# Altium PCB Enigma Rev A.PcbDoc (part 1 of 7) (continued)
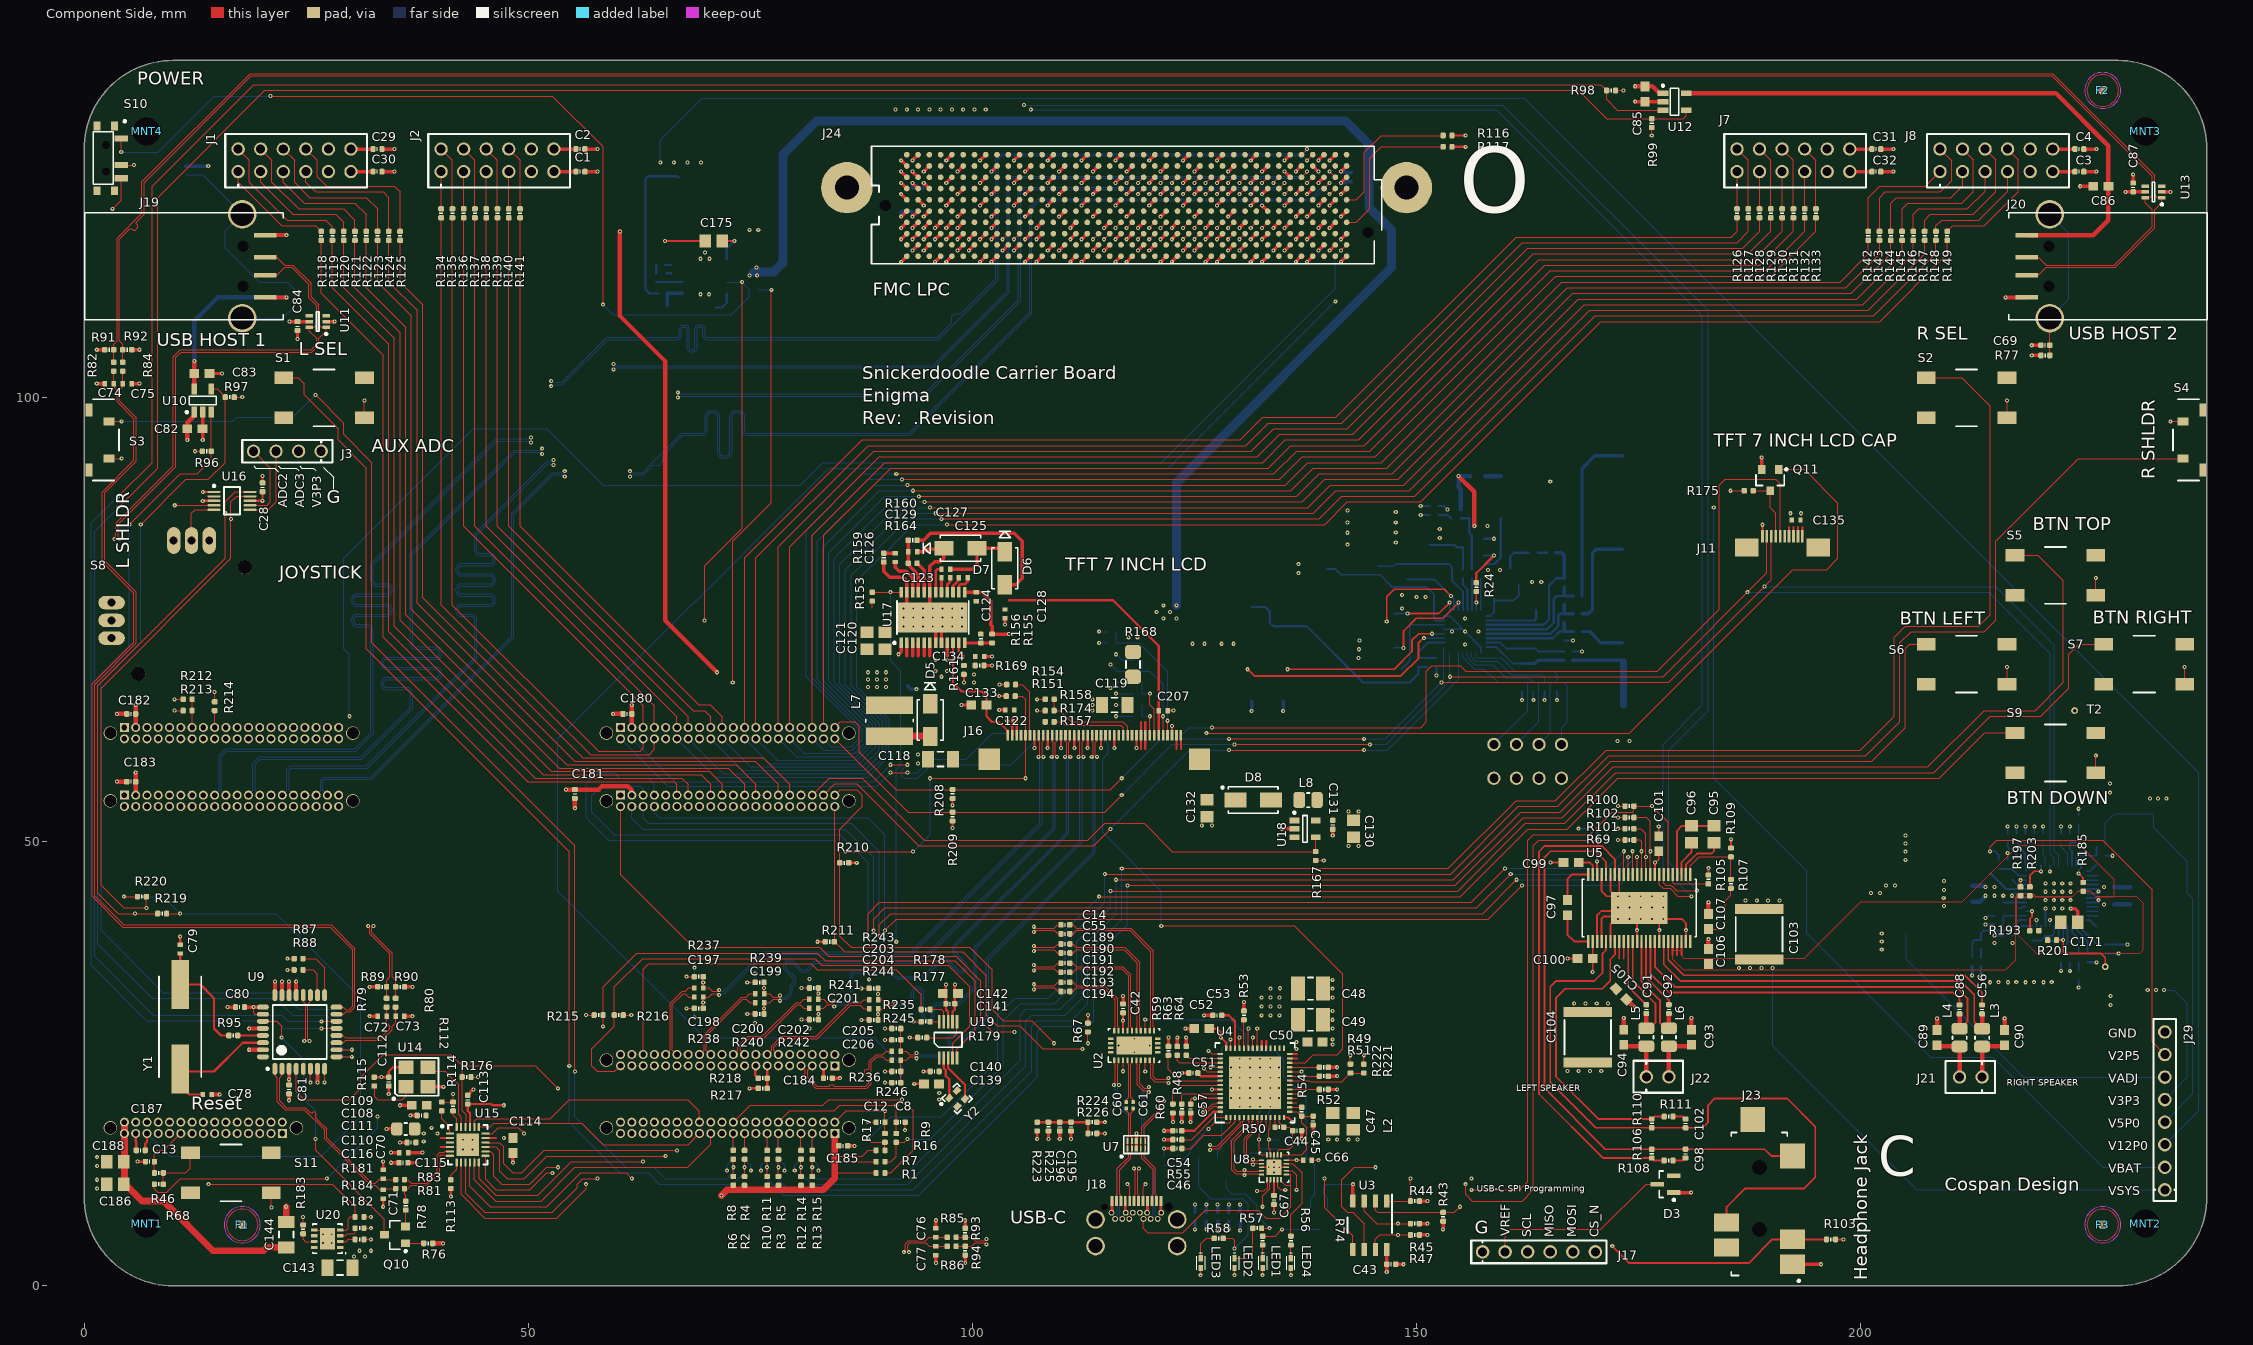
[diagram p0: Component Side view]
## Classes and differential pairs
differential pair LCD_TX3: +LCD_TX3_P -LCD_TX3_N
differential pair LCD_TX2: +LCD_TX2_P -LCD_TX2_N
differential pair LCD_TX1: +LCD_TX1_P -LCD_TX1_N
differential pair LCD_TX0: +LCD_TX0_P -LCD_TX0_N
differential pair LCD_CLK: +LCD_CLK_P -LCD_CLK_N
differential pair C_USB_B: +C_USB_B_P -C_USB_B_N
differential pair C_USB_T: +C_USB_T_P -C_USB_T_N
differential pair CLK0_M2C: +CLK0_M2C_P -CLK0_M2C_N
differential pair CLK1_M2C: +CLK1_M2C_P -CLK1_M2C_N
differential pair CLK2_BIDIR: +CLK2_BIDIR_P -CLK2_BIDIR_N
differential pair CLK3_BIDIR: +CLK3_BIDIR_P -CLK3_BIDIR_N
differential pair DP1_TX0: +DP1_TX0_P -DP1_TX0_N
differential pair DP1_TX1: +DP1_TX1_P -DP1_TX1_N
differential pair DP1_TX2: +DP1_TX2_P -DP1_TX2_N
differential pair DP1_TX3: +DP1_TX3_P -DP1_TX3_N
differential pair GBTCLK0_M2C: +GBTCLK0_M2C_P -GBTCLK0_M2C_N
differential pair GBTCLK1_M2C: +GBTCLK1_M2C_P -GBTCLK1_M2C_N
differential pair HS1_RX: +HS1_RX_P -HS1_RX_N
differential pair HS1_TX: +HS1_TX_P -HS1_TX_N
differential pair HS1_USB_TX: +HS1_USB_TX_P -HS1_USB_TX_N
differential pair HS2_RX: +HS2_RX_P -HS2_RX_N
differential pair HS2_TX: +HS2_TX_P -HS2_TX_N
differential pair HS2_USB_TX: +HS2_USB_TX_P -HS2_USB_TX_N
differential pair LA00_CC: +LA00_CC_P -LA00_CC_N
differential pair LA01_CC: +LA01_CC_P -LA01_CC_N
differential pair LA02: +LA02_P -LA02_N
differential pair LA03: +LA03_P -LA03_N
differential pair LA04: +LA04_P -LA04_N
differential pair LA05: +LA05_P -LA05_N
differential pair LA06: +LA06_P -LA06_N
differential pair LA07: +LA07_P -LA07_N
differential pair LA08: +LA08_P -LA08_N
differential pair LA09: +LA09_P -LA09_N
differential pair LA10: +LA10_P -LA10_N
differential pair LA11: +LA11_P -LA11_N
differential pair LA12: +LA12_P -LA12_N
differential pair LA13: +LA13_P -LA13_N
differential pair LA14: +LA14_P -LA14_N
differential pair LA15: +LA15_P -LA15_N
differential pair LA16: +LA16_P -LA16_N
differential pair LA17_CC: +LA17_CC_P -LA17_CC_N
differential pair LA18_CC: +LA18_CC_P -LA18_CC_N
differential pair LA19: +LA19_P -LA19_N
differential pair LA20: +LA20_P -LA20_N
differential pair LA21: +LA21_P -LA21_N
differential pair LA22: +LA22_P -LA22_N
differential pair LA23: +LA23_P -LA23_N
differential pair LA24: +LA24_P -LA24_N
differential pair LA25: +LA25_P -LA25_N
differential pair LA26: +LA26_P -LA26_N
differential pair LA27: +LA27_P -LA27_N
differential pair LA28: +LA28_P -LA28_N
differential pair LA29: +LA29_P -LA29_N
differential pair LA30: +LA30_P -LA30_N
differential pair LA31: +LA31_P -LA31_N
differential pair LA32: +LA32_P -LA32_N
differential pair LA33: +LA33_P -LA33_N
differential pair SBU: +SBU_P -SBU_N
differential pair USB_2P0: +USB_2P0_P -USB_2P0_N
differential pair LCD_X_CLK: +LCD_X_CLK_P -LCD_X_CLK_N
differential pair LCD_X_TX1: +LCD_X_TX1_P -LCD_X_TX1_N
differential pair LCD_X_TX2: +LCD_X_TX2_P -LCD_X_TX2_N
differential pair LCD_X_TX3: +LCD_X_TX3_P -LCD_X_TX3_N
differential pair X_DP1_TX0: +X_DP1_TX0_P -X_DP1_TX0_N
differential pair X_DP1_TX1: +X_DP1_TX1_P -X_DP1_TX1_N
differential pair X_DP1_TX2: +X_DP1_TX2_P -X_DP1_TX2_N
differential pair X_DP1_TX3: +X_DP1_TX3_P -X_DP1_TX3_N
differential pair AUX: +AUX_P -AUX_N
differential pair LCD_X_TX0: +LCD_X_TX0_P -LCD_X_TX0_N
differential pair USB_EXT_S1: +USB_EXT_S1_P -USB_EXT_S1_N
differential pair USB_EXT_S2: +USB_EXT_S2_P -USB_EXT_S2_N
differential pair USB_HOST: +USB_HOST_P -USB_HOST_N
differential pair USB_HST: +USB_HST_P -USB_HST_N
differential pair USB_S1: +USB_S1_P -USB_S1_N
differential pair USB_S2: +USB_S2_P -USB_S2_N
differential pair " ": +USB_S3_P -USB_S3_N

## Components (designator, comment, footprint, x,y, rotation, side; value= is the part's Value field where it differs from the comment)
C1 "0.1uF" C_0402 55.872,125.476 r180 top
C2 "0.1uF" C_0402 55.872,128.016 r180 top
C3 "0.1uF" C_0402 224.689,125.476 r180 top
C4 "0.1uF" C_0402 224.689,128.016 r180 top
C5 "0.1uF" C_0402 74.361,14.74 r90 bottom
C6 "0.1uF" C_0402 78.171,14.74 r90 bottom
C7 "0.1uF" C_0402 73.091,14.74 r90 bottom
C8 "0.1uF" C_0402 91.94,18.415 r180 top
C9 "0.1uF" C_0402 76.901,14.74 r90 bottom
C10 "0.1uF" C_0402 80.711,14.74 r90 bottom
C11 "0.1uF" C_0402 81.981,14.74 r90 bottom
C12 "0.1uF" C_0402 89.67,18.415 r0 top
C13 "0.1uF" C_0402 7.39,13.97 r0 top
C14 "0.1uF" C_0402 110.49,40.64 r0 top
C15 "C_0603_0.1µF" C_ERA-0603 160.371,91.179 r0 bottom
C16 "C_0603_0.1µF" C_ERA-0603 156.921,91.179 r0 bottom
C17 "0.1uF" C_0402 166.676,79.179 r270 bottom
C18 "C_0805_2.2uF_25V" C_ERA-0805 163.533,77.014 r270 bottom
C19 "1.0uF" C_ERA-0805 158.771,78.383 r270 bottom
C20 "0.1uF" C_0402 166.676,77.179 r270 bottom
C21 "0.1uF" C_0402 166.676,75.179 r270 bottom
C22 "1.0uF" C_ERA-0805 150.521,75.329 r270 bottom
C23 "C_0402_2.2uF_35V" C_ERA-0402 152.021,86.81 r0 bottom
C24 "0.1uF" C_0402 166.676,73.179 r270 bottom
C25 "C_0603_0.1µF" C_ERA-0603 148.971,80.391 r90 bottom
C26 "10µF" CAP-1206 144.953,86.629 r0 bottom
C27 "10µF" CAP-1206 144.953,84.129 r0 bottom
C28 "0.1uF" C_0402 20.066,89.924 r270 top
C29 "0.1uF" C_0402 33.012,128.016 r180 top
C30 "0.1uF" C_0402 33.012,125.476 r180 top
C31 "0.1uF" C_0402 201.829,128.016 r180 top
C32 "0.1uF" C_0402 201.829,125.476 r180 top
C33 "C_0603_0.1µF" C_ERA-0603 162.021,70.929 r270 bottom
C34 "100pF" C_0402 165.406,70.929 r270 bottom
C35 "C_0805_1.5uF_25V" C_ERA-0805 138.975,80.71 r0 bottom
C36 "10µF" CAP-1206 125.471,75.004 r270 bottom
C37 "10µF" CAP-1206 128.771,75.004 r270 bottom
C38 "22pF" C_ERA-0402 150.271,70.179 r270 bottom
C39 "C_0603_0.1µF" C_ERA-0603 133.271,69.179 r180 bottom
C40 "C_0603_0.1µF" C_ERA-0603 135.021,66.679 r270 bottom
C41 "C_0603_0.1µF" C_ERA-0603 131.471,66.679 r270 bottom
C42 "0.1uF" C_0402 116.987,31.234 r270 top
C43 "0.1uF" C_0402 147.185,2.413 r180 top
C44 "220pF" C_0402 136.6,17.45 r180 top
C45 "220pF" C_0402 138.4,18.6 r90 top
C46 "C_0402_0.22UF_50V" C_0402 123.1,15.45 r0 top
C47 "1.0uF" C_ERA-0805 140.6,18.5 r90 top
C48 "22µF" C_14-1210 138.1,33.45 r180 top
C49 "22µF" C_14-1210 138.1,29.95 r180 top
C50 "4.7µF" C_ERA-0603 138.6,27.45 r180 top
C51 "1.0uF" C_0402 124.9,23.95 r0 top
C52 "C_0603_10µF" C_ERA-0603 125.85,28.95 r0 top
C53 "2.2uF" C_0402 127.6,30.45 r0 top
C54 "2.2uF" C_0402 123.1,17.45 r0 top
C55 "0.1uF" C_0402 110.49,39.624 r0 top
C56 "C_0402_0.22UF_50V" C_0402 213.739,31.115 r90 top
C57 "1.0uF" C_0402 124.6,19.95 r90 top
C58 "0.1UF" CAPC0201 118.872,19.685 r90 bottom
C59 "0.1UF" CAPC0201 119.634,19.685 r90 bottom
C60 "0.1UF" CAPC0201 117.348,20.32 r90 top
C61 "0.1UF" CAPC0201 118.11,20.32 r90 top
C62 "10000pF" C_0402 128.905,7.755 r90 bottom
C63 "10000pF" C_0402 126.365,7.755 r90 bottom
C64 "10000pF" C_0402 125.095,7.747 r90 bottom
C65 "10000pF" C_0402 127.635,7.755 r90 bottom
C66 "1.0uF" C_ERA-0402 137.757,14.135 r180 top
C67 "0.1uF" C_0402 133.985,9.66 r90 top
C68 "10000pF" C_0402 12.7,125.595 r270 bottom
C69 "10000pF" C_0402 220.861,105.918 r0 top
C70 "22pF" C_ERA-0402 33.655,12.565 r270 top
C71 "22pF" C_ERA-0402 33.655,10.295 r90 top
C72 "22pF" C_ERA-0402 33.536,30.353 r0 top
C73 "22pF" C_ERA-0402 35.552,30.353 r180 top
C74 "22pF" C_ERA-0402 2.802,101.6 r0 top
C75 "22pF" C_ERA-0402 4.818,101.6 r180 top
C76 "22pF" C_ERA-0402 95.903,5.961 r270 top
C77 "22pF" C_ERA-0402 95.903,3.945 r90 top
C78 "22pF" C_ERA-0402 13.835,21.539 r180 top
C79 "22pF" C_ERA-0402 10.795,37.914 r270 top
C80 "1000pF" C_0402 17.526,31.375 r0 top
C81 "0.1uF" C_0402 23.057,22.106 r90 top
C82 "1.0uF" C_ERA-0603 12.446,96.52 r180 top
C83 "1.0uF" C_ERA-0603 13.235,102.743 r180 top
C84 "0.1uF" C_0402 24.003,108.085 r90 top
C85 "1.0uF" C_ERA-0603 175.768,134.2 r90 top
C86 "1.0uF" C_ERA-0603 227.115,123.825 r0 top
C87 "0.1uF" C_0402 230.759,123.69 r270 top
C88 "C_0402_0.22UF_50V" C_0402 211.199,31.115 r90 top
C89 "C_0603_0.68uF_25V" C_ERA-0603 208.661,27.94 r270 top
C90 "C_0603_0.68uF_25V" C_ERA-0603 216.281,27.94 r270 top
C91 "C_0402_0.22UF_50V" C_0402 175.921,31.15 r90 top
C92 "C_0402_0.22UF_50V" C_0402 178.461,31.15 r90 top
C93 "C_0603_0.68uF_25V" C_ERA-0603 181.003,27.975 r270 top
C94 "C_0603_0.68uF_25V" C_ERA-0603 173.383,27.975 r270 top
C95 "1.0uF" C_ERA-0805 183.543,50.835 r270 top
C96 "1.0uF" C_ERA-0805 181.003,50.835 r90 top
C97 "1.0uF" C_ERA-0603 167.033,42.58 r270 top
C98 "220pF" C_0402 180.332,14.873 r90 top
C99 "1.0uF" C_ERA-0603 167.453,47.66 r0 top
C100 "1.0uF" C_ERA-0603 169.033,36.865 r0 top
C101 "1.0uF" C_ERA-0603 177.32,49.78 r270 top
C102 "220pF" C_0402 180.34,18.28 r270 top
C103 "10µF" C_ERA-2220 188.623,39.588 r270 top
C104 "10µF" C_ERA-2220 169.319,27.975 r90 top
C105 "C_0603_0.1µF" C_ERA-0603 173.095,32.835 r135 top
C106 "C_0603_0.1µF" C_ERA-0603 182.908,37.08 r270 top
C107 "1.0uF" C_ERA-0603 182.908,41.017 r270 top
C108 "0.1uF" C_0402 37.981,19.177 r0 top
C109 "4.7µF" C_ERA-0603 37.719,20.32 r0 top
C110 "0.1uF" C_0402 36.83,16.129 r0 top
C111 "10UF" C_0805 36.195,17.653 r0 top
C112 "0.1uF" C_0402 34.282,22.987 r90 top
C113 "0.1uF" C_0402 43.18,20.955 r270 top
C114 "4.7µF" C_ERA-0603 48.26,15.787 r90 top
C115 "0.1uF" C_0402 35.941,13.843 r0 top
C116 "C_0402_2.2uF_35V" C_ERA-0402 35.98,14.986 r0 top
C117 "6.8pF" C_ERA-0402 93.845,70.485 r0 bottom
C118 "10µF" CAP-1206 96.421,59.309 r0 top
C119 "10µF" CAP-1206 116.05,65.405 r0 top
C120 "10µF" C_ERA-0805 90.17,72.644 r270 top
C121 "10µF" C_ERA-0805 88.138,72.644 r270 top
C122 "0.1uF" C_ERA-0402 104.225,64.845 r0 top
C123 "C_0402_0.22UF_50V" C_ERA-0402 97.035,79.73 r180 top
C124 "C_0402_0.22UF_50V" C_ERA-0402 100.435,77.605 r270 top
C125 "C_0402_0.22UF_50V" C_ERA-0402 98.985,79.73 r180 top
C126 "1000pF" C_ERA-0402 91.335,82.005 r270 top
C127 "0.022UF" C_ERA-0402 97.035,80.705 r180 top
C128 "0.022UF" C_ERA-0402 103.685,75.655 r90 top
C129 "C_0402_0.22UF_50V" C_ERA-0402 93.285,82.655 r180 top
C130 "10uF" C_ERA-0805 142.945,51.455 r90 top
C131 "0.1uF" C_0402 140.605,51.905 r90 top
C132 "C_0805_2.2uF_25V" C_ERA-0805 126.435,53.755 r90 top
C133 "C_0603_1µF_16V" C_ERA-0603 100.75,65.405 r0 top
C134 "1000pF" C_ERA-0402 100.83,70.866 r180 top
C135 "0.1uF" C_ERA-0402 192.786,86.233 r180 top
C136 "1.0uF" C_ERA-0402 92.631,121.031 r0 bottom
C137 "1.0uF" C_ERA-0402 142.669,124.841 r270 bottom
C138 "1.0uF" C_ERA-0402 93.901,123.571 r180 bottom
C139 "4.7µF" C_ERA-0603 95.416,22.733 r0 top
C140 "0.1uF" C_0402 95.766,24.13 r0 top
C141 "0.1uF" C_0402 97.536,31.75 r0 top
C142 "4.7µF" C_ERA-0603 97.536,32.893 r0 top
C143 "10µF" CAP-1206 28.798,2.032 r0 top
C144 "10µF" CAP-1206 22.733,5.743 r270 top
C145 "0.1uF" C_0402 227.12,47.419 r180 bottom
C146 "C_0805_22µF_35V" C_ERA-0805 230.42,43.919 r90 bottom
C147 "10µF" C_ERA-0805 230.505,56.007 r0 bottom
C148 "C_0402_3.3nF_50V" C_ERA-0402 224.62,52.419 r270 bottom
C149 "C_0402_36pF" C_0402 223.62,50.419 r270 bottom
C150 "C_0402_68nF" C_0402 222.62,50.419 r270 bottom
C151 "0.1uF" C_0402 227.12,40.419 r180 bottom
C152 "C_0805_22µF_35V" C_ERA-0805 228.62,43.919 r90 bottom
C153 "10µF" C_ERA-0805 230.444,32.131 r0 bottom
C154 "C_0402_3.3nF_50V" C_ERA-0402 224.62,34.919 r90 bottom
C155 "C_0402_36pF" C_0402 223.62,36.919 r90 bottom
C156 "C_0402_68nF" C_0402 222.62,36.919 r90 bottom
C157 "0.1uF" C_0402 217.27,42.519 r0 bottom
C158 "C_0805_22µF_35V" C_ERA-0805 211.67,45.019 r0 bottom
C159 "10µF" C_ERA-0805 201.774,41.981 r270 bottom
C160 "C_0402_3.3nF_50V" C_ERA-0402 213.62,36.419 r90 bottom
C161 "12pF" C_ERA-0402 212.62,36.419 r90 bottom
C162 "C_0402_68nF" C_0402 216.62,39.419 r0 bottom
C163 "0.1uF" C_0402 217.12,45.219 r90 bottom
C164 "C_0805_22µF_35V" C_ERA-0805 211.67,43.219 r0 bottom
C165 "10µF" C_ERA-0805 203.454,47.31 r90 bottom
C166 "C_0402_3.3nF_50V" C_ERA-0402 216.62,50.419 r270 bottom
C167 "47pF" C_0402 217.62,50.419 r270 bottom
C168 "C_0402_68nF" C_0402 218.62,50.419 r270 bottom
C169 "C_0805_22µF_35V" C_ERA-0805 215.12,36.419 r90 bottom
C170 "C_0805_22µF_35V" C_ERA-0805 217.12,36.419 r90 bottom
C171 "4.7µF" C_ERA-0805 223.57,40.919 r180 top
C172 "4.7µF" C_ERA-0805 221.12,36.419 r90 bottom
C173 "4.7µF" C_ERA-0805 219.12,36.419 r90 bottom
C174 "C_0805_22µF_35V" C_ERA-0805 75.4,116.615 r270 bottom
C175 "0.1uF" C_ERA-0805 70.9,117.665 r0 top
C176 "4.7µF" C_ERA-0805 71.9,122.665 r90 bottom
C177 "82pF" C_ERA-0402 65.6,113.53 r270 bottom
C178 "8.2pF" C_ERA-0402 70.65,110.165 r0 bottom
C179 "C_0402_3.9nF" C_0402 64.9,114.965 r180 bottom
C180 "0.1uF" C_0402 61.161,64.389 r0 top
C181 "0.1uF" C_0402 55.245,55.38 r90 top
C182 "0.1uF" C_0402 5.281,64.389 r0 top
C183 "0.1uF" C_0402 5.281,56.769 r0 top
C184 "0.1uF" C_0402 83.751,23.368 r180 top
C185 "0.1uF" C_0402 85.463,15.748 r180 top
C186 "C_0805_22µF_35V" C_ERA-0805 3.495,11.43 r0 top
C187 "0.1uF" C_0402 6.35,15.24 r0 top
C188 "C_0805_22µF_35V" C_ERA-0805 3.495,13.97 r0 top
C189 "0.1uF" C_0402 110.49,38.481 r0 top
C190 "0.1uF" C_0402 110.49,37.465 r0 top
C191 "0.1uF" C_0402 110.49,36.322 r0 top
C192 "0.1uF" C_0402 110.49,35.306 r0 top
C193 "0.1uF" C_0402 110.49,34.163 r0 top
C194 "0.1uF" C_0402 110.49,33.147 r0 top
C195 "1.0uF" C_0402 111.125,17.915 r90 top
C196 "0.1uF" C_0402 109.855,17.915 r90 top
C197 "0.1uF" C_ERA-0402 69.207,33.528 r180 top
C198 "0.1uF" C_ERA-0402 69.207,32.512 r180 top
C199 "0.1uF" C_ERA-0402 76.065,32.893 r180 top
C200 "0.1uF" C_ERA-0402 76.065,31.877 r180 top
C201 "0.1uF" C_ERA-0402 82.161,32.258 r180 top
C202 "0.1uF" C_ERA-0402 82.161,31.242 r180 top
C203 "0.1uF" C_ERA-0402 88.892,32.22 r180 top
C204 "0.1uF" C_ERA-0402 88.892,31.204 r180 top
C205 "0.1uF" C_ERA-0402 91.432,26.416 r180 top
C206 "0.1uF" C_ERA-0402 91.432,25.4 r180 top
C207 "C_0402_0.22UF_50V" C_ERA-0402 121.5,64.77 r0 top
D1 "BAT54" SOT23 161.544,79.883 r270 bottom
D2 "BAT54" SOT23 144.78,81.026 r0 bottom
D3 "BZX84C16-7-F" SOT23 178.09,11.43 r180 top
D4 "D_SCHOTT_30V_2A_XDFN" DSN2_0603 130.175,7.615 r270 bottom
D5 "D_B340A-13-F" SMA 95.25,63.703 r270 top
D6 "D_B340A-13-F" SMA 103.685,80.801 r270 top
D7 "D_B340A-13-F" SMA 98.679,83.058 r0 top
D8 "B1100-13-F" DIOM5226X23L 131.635,54.705 r0 top
D9 "D_SCHOTT_PMEG4010CEH" D_SOD123F 68.4,117.665 r180 bottom
F1 "Fudicial" "FIDUCIAL ROUND" 17.78,6.858 r0 top locked
F2 "Fudicial" "FIDUCIAL ROUND" 227.33,134.62 r0 top locked
F3 "Fudicial" "FIDUCIAL ROUND" 227.33,6.858 r0 top locked
J1 "PMOD" PMOD 17.32,125.476 r0 top locked
J2 "PMOD" PMOD 40.18,125.476 r0 top locked
J3 "J_HDR1X4_THRHOLE_VERT_FEMALE" HDR_1X4_FEMALE 26.67,93.98 r180 top
J4 "J_SNICKERDOODLE_JA1" TFM12001-X-D-A 72.456,62.23 r0 bottom locked
J5 "J_SNICKERDOODLE_JA2" TFM12001-X-D-A 72.456,54.61 r0 bottom locked
J6 "J_SNICKERDOODLE_JB1" TFM12001-X-D-A 16.576,62.23 r0 bottom locked
J7 "PMOD" PMOD 186.137,125.476 r0 top locked
J8 "PMOD" PMOD 208.997,125.476 r0 top locked
J9 "J_HDR1X4_THRHOLE_VERT" HDR_1X4 166.37,60.96 r180 bottom
J10 "J_SNICKERDOODLE_JB2" TFM12001-X-D-A 16.576,54.61 r0 bottom locked
J11 "J_FFC_CONN_RA_10PIN" ER-CON10HT-1_BTM 191.25,85.09 r0 top locked
J12 "J_LIPO_BAT_CONNECTOR" HDR_1X2_LIPO_BATTERY 180.509,102.51 r90 bottom
J13 "J_LIPO_BAT_CONNECTOR" HDR_1X2_LIPO_BATTERY 180.509,92.477 r90 bottom
J14 "J_LIPO_BAT_CONNECTOR" HDR_1X2_LIPO_BATTERY 180.509,81.952 r90 bottom
J15 "J_LIPO_BAT_CONNECTOR" HDR_1X2_LIPO_BATTERY 180.509,71.429 r90 bottom
J16 "J_FFC_CONN_RA_40PIN" ER-CON40HT-1_BTM 113.75,62.59 r0 top locked
J17 "J_HDR1X6_THRHOLE_VERT" HDR_1X6 157.48,3.81 r0 top
J18 "J_DX07S024XJ1R1100" DX07S024XJ1R1100 114.887,8.865 r0 top
J19 "J_USB_A" USB_A 17.78,114.816 r270 top
J20 "J_USB_A" USB_A 221.361,114.816 r90 top
J21 "J_HDR1X2_JUMPER" HDR_1X2 213.741,23.495 r180 top
J22 "J_HDR1X2_JUMPER" HDR_1X2 175.923,23.53 r0 top
J23 "Headphone Jack" HEADPHONE_JACK 193.755,1.813 r90 top
J24 "ASP-134486-01" BTB-SM1-27-2V400F 117.396,121.666 r0 top locked
J25 "J_SNICKERDOODLE_JC1" TFM12001-X-D-A 72.456,25.4 r180 bottom locked
J26 "J_SNICKERDOODLE_J3" TFM12001-X-D-A 72.456,17.78 r180 bottom locked
J27 "J_SNICKERDOODLE_J2" TFM11501-X-D-A 13.401,17.78 r180 bottom locked
J28 "J_HDR1X4_THRHOLE_VERT" HDR_1X4 166.37,57.15 r180 bottom
J29 "J_HDR1X8_THRHOLE_VERT_RECPT" "HDR_1X8 - FEMALE" 234.315,10.795 r90 top
L1 "L_IHLP2020BZER2R2M11" IHLP-2020BZ 140.084,76.479 r0 bottom
L2 "L_FB_21OHM_100MHZ" C_ERA-0805 142.9,18.5 r90 top
L3 "CBC2016T220K" L_0806 213.741,27.94 r90 top
L4 "CBC2016T220K" L_0806 211.201,27.94 r90 top
L5 "CBC2016T220K" L_0806 175.923,27.975 r90 top
L6 "CBC2016T220K" L_0806 178.463,27.975 r90 top
L7 "4.7uH" INDP744042006 90.678,63.627 r270 top
L8 "CBC2016T220K" L_0806 137.835,54.705 r0 top
L9 "L_MPLC0730L4R7" KEM_L9004_MPLC 233.045,50.194 r270 bottom
L10 "L_MPLC0730L4R7" KEM_L9004_MPLC 232.791,37.973 r90 bottom
L11 "L_MPLC0730L4R7" KEM_L9004_MPLC 207.772,38.735 r0 bottom
L12 "L_MPLC0730L4R7" KEM_L9004_MPLC 209.804,49.276 r0 bottom
L13 "L_SRN6045-150M" SRN6045 66.95,122.665 r270 bottom
LED1 "LED_GRN_0402" DIOM1005X07L_GREEN 132.715,2.54 r270 top
LED2 "LED_BLUE_0402" DIOM1005X07L_BLUE 129.54,2.54 r270 top
LED3 "LED_ORN_0402" DIOM1005X07L_ORANGE 125.73,2.54 r270 top
LED4 "LED_RED_0402" DIOM1005X07L_RED 135.89,2.54 r270 top
MNT1 "Mounting Hole" MNT_4-40 7,7 r0 top locked
MNT2 "Mounting Hole" MNT_4-40 232.141,7 r0 top
MNT3 "Mounting Hole" MNT_4-40 232.141,130 r0 top
MNT4 "Mounting Hole" MNT_4-40 7,130 r0 top locked
Q1 "N-Channel Nex_FET" "Q_TDSON-8 NexFET" 160.496,87.864 r90 bottom
Q2 "N-Channel Nex_FET" "Q_TDSON-8 NexFET" 156.946,87.864 r90 bottom
Q3 "NFET" SOT-23A 156.471,83.179 r90 bottom
Q4 "N-Channel Nex_FET" "Q_TDSON-8 NexFET" 150.076,84.404 r180 bottom
Q5 "N-Channel Nex_FET" "Q_TDSON-8 NexFET" 146.071,72.829 r180 bottom
Q6 "N-Channel Nex_FET" "Q_TDSON-8 NexFET" 146.111,76.679 r180 bottom
Q7 "NFET" SOT-23A 139.065,7.55 r180 bottom
Q8 "NFET" SOT-23A 128.6,13.15 r180 bottom
Q9 "NFET" SOT-23A 124.3,14.5 r270 bottom
Q10 "NPN" SOT-23A 34.982,5.715 r270 top
Q11 "NFET" SOT-23A 189.865,90.735 r0 top
R1 "R_0402_10.0K" R_0402 89.67,12.7 r0 top
R2 "R_0402_100K" R_0402 74.361,11.803 r90 top
R3 "R_0402_100K" R_0402 78.171,11.803 r90 top
R4 "R_0402_10.0K" R_0402 74.361,14.74 r270 top
R5 "R_0402_10.0K" R_0402 78.171,14.74 r270 top
R6 "R_0402_100K" R_0402 73.091,11.803 r90 top
R7 "R_0402_100K" R_0402 89.67,13.97 r0 top
R8 "R_0402_10.0K" R_0402 73.091,14.74 r270 top
R9 "R_0402_10.0K" R_0402 91.44,16.645 r270 top
R10 "R_0402_100K" R_0402 76.901,11.803 r90 top
R11 "R_0402_10.0K" R_0402 76.901,14.74 r270 top
R12 "R_0402_100K" R_0402 80.711,11.803 r90 top
R13 "R_0402_100K" R_0402 81.981,11.803 r90 top
R14 "R_0402_10.0K" R_0402 80.711,14.74 r270 top
R15 "R_0402_10.0K" R_0402 81.981,14.74 r270 top
R16 "R_0402_100K" R_0402 89.67,15.24 r0 top
R17 "R_0402_10.0K" R_0402 90.17,16.645 r270 top
R18 "R_0402_10M" R_0402 160.021,83.179 r180 bottom
R19 "R_0402_10M" R_0402 155.021,86.929 r270 bottom
R20 "R_0402_10.0" R_0402 163.195,82.55 r180 bottom
R21 "R_0402_100.0" R_0402 165.227,82.55 r0 bottom
R22 "5.11k Ohms" R_0402 157.271,80.179 r270 bottom
R23 "5.11k Ohms" R_0402 156.271,80.179 r270 bottom
R24 "R_0402_10.0K" R_0402 156.771,78.679 r270 top
R25 "R_0402_100.0" R_0402 168.176,77.679 r180 bottom
R26 "R_0402_10M" R_0402 153.921,83.929 r270 bottom
R27 "R_0402_100.0K" R_0402 152.021,87.81 r180 bottom
R28 "1.0 Ohms" R_0402 153.921,85.929 r90 bottom
R29 "R_0402_100.0" R_0402 168.176,75.679 r180 bottom
R30 "5.11k Ohms" R_0402 155.271,80.179 r90 bottom
R31 "R_0402_100.0" R_0402 168.176,73.679 r180 bottom
R32 "R_1206_10" R_1206 146.921,69.429 r180 bottom
R33 "0.0 Ohms" R_0402 167.156,70.429 r0 bottom
R34 "R_1206_0.005" R_1206 173.355,64.005 r270 bottom
R35 "0.0 Ohms" R_0402 167.156,71.429 r0 bottom
R36 "0.01 OHM" R_LVK25_0.003 133.271,74.279 r0 bottom
R37 "R_0402_330K" R_0402 151.271,70.179 r90 bottom
R38 "R_0402_NTC_10.0K" R_0402 165.862,67.445 r270 bottom
R39 "R_0402_NTC_10.0K" R_0402 164.465,67.445 r270 bottom
R40 "R_0402_NTC_10.0K" R_0402 163.195,67.445 r270 bottom
R41 "R_0402_NTC_10.0K" R_0402 161.925,67.445 r270 bottom
R42 "R_0402_26.1K" R_0402 152.271,70.179 r270 bottom
R43 "3.3k Ohms" R_0402 153.035,7.755 r90 top
R44 "3.3k Ohms" R_0402 149.86,9.525 r180 top
R45 "3.3k Ohms" R_0402 149.86,6.985 r180 top
R46 "R_0402_10.0K" R_0402 8.39,12.7 r0 top
R47 "3.3k Ohms" R_0402 149.86,5.715 r180 top
R48 "R_0402_15.0K" R_0402 123.6,19.95 r90 top
R49 "1.0M Ohms" R_0402 139.6,24.6 r180 top
R50 "0.0 Ohms" R_0402 134.6,17.85 r0 top
R51 "1.0M Ohms" R_0402 139.6,23.6 r180 top
R52 "1.0M Ohms" R_0402 139.6,22.1 r180 top
R53 "1.0M Ohms" R_0402 130.6,30.45 r270 top
R54 "0.0 Ohms" R_0402 137.1,19.6 r270 top
R55 "1.0M Ohms" R_0402 123.1,16.45 r0 top
R56 "1.0k Ohms" R_0402 132.715,5.08 r90 top
R57 "1.0k Ohms" R_0402 132.088,6.477 r0 top
R58 "1.0k Ohms" R_0402 127.762,5.334 r0 top
R59 "3.3k Ohms" R_0402 122.1,26.45 r270 top
R60 "R_0402_100K" R_0402 122.6,19.95 r90 top
R61 "1.0M Ohms" R_0402 139.6,24.6 r0 bottom
R62 "R_0402_10.0K" R_0402 139.065,10.287 r0 bottom
R63 "R_0402_10.0K" R_0402 123.1,26.45 r270 top
R64 "R_0402_10.0K" R_0402 124.1,26.45 r270 top
R65 "1.0M Ohms" R_0402 135.1,15.45 r180 bottom
R66 "1.0M Ohms" R_0402 135.1,16.45 r180 bottom
R67 "R_0402_10.0K" R_0402 113.03,29.075 r270 top
R68 "R_0402_100K" R_0402 8.39,11.43 r0 top
R69 "R_0402_10.0K" R_0402 174.018,50.2 r0 top
R70 "R_0402_10.0K" R_0402 128.6,16.45 r0 bottom
R71 "1.0M Ohms" R_0402 132.3,18.45 r90 bottom
R72 "1.0M Ohms" R_0402 133.4,18.45 r90 bottom
R73 "R_0402_10.0K" R_0402 121.6,14.05 r90 bottom
R74 "1.0k Ohms" R_0402 135.89,5.08 r90 top
R75 "1.0M Ohms" R_0402 11.43,125.595 r90 bottom
R76 "R_0402_15.0K" R_0402 38.727,4.765 r0 top
R77 "1.0M Ohms" R_0402 220.861,104.775 r180 top
R78 "R_0402_15.0K" R_0402 36.195,9.025 r90 top
R79 "R_0402_30" R_0402 34.036,31.869 r90 top
R80 "R_0402_30" R_0402 35.052,31.869 r90 top
R81 "R_0402_30" R_0402 35.56,10.922 r180 top
R82 "R_0402_30" R_0402 3.302,103.505 r90 top
R83 "R_0402_30" R_0402 35.56,11.938 r180 top
R84 "R_0402_30" R_0402 4.318,103.505 r90 top
R85 "R_0402_30" R_0402 97.68,5.461 r0 top
R86 "R_0402_30" R_0402 97.68,4.445 r0 top
R87 "R_0402_10.0K" R_0402 24.13,36.83 r0 top
R88 "R_0402_10.0K" R_0402 24.13,35.56 r0 top
R89 "R_0402_15.0K" R_0402 33.536,33.655 r0 top
R90 "R_0402_15.0K" R_0402 35.552,33.655 r180 top
R91 "R_0402_15.0K" R_0402 2.802,105.41 r0 top
R92 "R_0402_15.0K" R_0402 4.818,105.41 r180 top
R93 "R_0402_15.0K" R_0402 99.205,5.961 r270 top
R94 "R_0402_15.0K" R_0402 99.205,3.945 r90 top
R95 "R_0402_15.0K" R_0402 16.772,28.175 r0 top
R96 "1.0k Ohms" R_0402 13.785,93.98 r180 top
R97 "R_0402_15.0K" R_0402 16.375,100.076 r0 top
R98 "1.0k Ohms" R_0402 171.95,134.62 r0 top
R99 "R_0402_15.0K" R_0402 176.53,130.945 r270 top
R100 "R_0402_10.0K" R_0402 174.018,54.01 r0 top
R101 "R_0402_10.0K" R_0402 174.018,51.47 r0 top
R102 "R_0402_10.0K" R_0402 174.018,52.74 r0 top
R103 "R_0402_10.0K" R_0402 196.715,5.213 r180 top
R104 "R_0402_10.0K" R_0402 169.883,51.47 r180 bottom
R105 "R_0402_10.0K" R_0402 182.908,45.755 r90 top
R106 "R_0402_10.0K" R_0402 176.53,14.873 r270 top
R107 "R_0402_68.1K" R_0402 185.448,45.255 r90 top
R108 "5.6k Ohms" R_0402 178.427,14.103 r180 top
R109 "18.0k Ohms" R_0402 185.448,48.795 r90 top
R110 "R_0402_10.0K" R_0402 176.538,18.28 r90 top
R111 "5.6k Ohms" R_0402 178.435,19.05 r180 top
R112 "0.0 Ohms" R_0402 40.259,20.185 r270 top
R113 "R_0402_100K" R_0402 41.275,11.438 r270 top
R114 "R_0402_8.06K" R_0402 41.529,20.185 r90 top
R115 "R_0402_100K" R_0402 32.647,22.987 r90 top
R116 "R_0402_10.0K" R_0402 153.535,129.54 r180 top
R117 "R_0402_10.0K" R_0402 153.535,128.27 r180 top
R118 "R_0402_200" R_0402 26.67,118.245 r90 top
R119 "R_0402_200" R_0402 27.94,118.245 r270 top
R120 "R_0402_200" R_0402 29.21,118.245 r90 top
R121 "R_0402_200" R_0402 30.48,118.245 r270 top
R122 "R_0402_200" R_0402 31.75,118.245 r90 top
R123 "R_0402_200" R_0402 33.02,118.245 r270 top
R124 "R_0402_200" R_0402 34.29,118.245 r90 top
R125 "R_0402_200" R_0402 35.56,118.245 r270 top
R126 "R_0402_200" R_0402 186.137,120.785 r90 top
R127 "R_0402_200" R_0402 187.407,120.785 r270 top
R128 "R_0402_200" R_0402 188.677,120.785 r90 top
R129 "R_0402_200" R_0402 189.947,120.785 r270 top
R130 "R_0402_200" R_0402 191.217,120.785 r90 top
R131 "R_0402_200" R_0402 192.487,120.785 r270 top
R132 "R_0402_200" R_0402 193.757,120.785 r90 top
R133 "R_0402_200" R_0402 195.027,120.785 r270 top
R134 "R_0402_200" R_0402 40.18,120.785 r90 top
R135 "R_0402_200" R_0402 41.45,120.785 r270 top
R136 "R_0402_200" R_0402 42.72,120.785 r90 top
R137 "R_0402_200" R_0402 43.99,120.785 r270 top
R138 "R_0402_200" R_0402 45.26,120.785 r90 top
R139 "R_0402_200" R_0402 46.53,120.785 r270 top
R140 "R_0402_200" R_0402 47.8,120.785 r90 top
R141 "R_0402_200" R_0402 49.07,120.785 r270 top
R142 "R_0402_200" R_0402 200.917,118.245 r90 top
R143 "R_0402_200" R_0402 202.187,118.245 r270 top
R144 "R_0402_200" R_0402 203.457,118.245 r90 top
R145 "R_0402_200" R_0402 204.727,118.245 r270 top
R146 "R_0402_200" R_0402 205.997,118.245 r90 top
R147 "R_0402_200" R_0402 207.267,118.245 r270 top
R148 "R_0402_200" R_0402 208.537,118.245 r90 top
R149 "R_0402_200" R_0402 209.807,118.245 r270 top
R150 "R_0402_41.2K" R_0402 93.845,69.215 r180 bottom
R151 "R_0402_10.0K" R_0402 104.335,66.405 r0 top
R152 "5.6k Ohms" R_0402 92.71,68.072 r270 bottom
R153 "R_0402_10.0K" R_0402 88.735,77.605 r90 top
R154 "R_0402_10.0K" R_0402 104.375,67.705 r0 top
R155 "R_0402_680K" R_0402 102.235,72.89 r270 top
R156 "R_0402_49.9K" R_0402 100.965,72.89 r90 top
R157 "R_0402_10.0K" R_0402 108.72,63.5 r0 top
R158 "1.0k Ohms" R_0402 108.72,66.04 r180 top
R159 "R_0402_15.0K" R_0402 90.035,82.005 r270 top
R160 "R_0402_200.0K" R_0402 93.285,83.955 r180 top
R161 "R_0402_732k" R_0402 99.06,69.35 r90 top
R162 "1.0k Ohms" R_0402 118.626,64.135 r180 bottom
R163 "R_0402_100K" R_0402 118.626,66.675 r0 bottom
R164 "R_0402_41.2K" R_0402 93.285,81.355 r0 top
R165 "R_0402_100K" R_0402 118.626,69.215 r0 bottom
R166 "R_0402_100K" R_0402 115.705,72.39 r0 bottom
R167 "R_0402_10.0K" R_0402 138.685,48.395 r90 top
R168 "R_1206_2" R_1206 118.11,69.98 r90 top
R169 "R_0402_499k" R_0402 100.83,69.85 r0 top
R170 "1.0k Ohms" R_0402 115.705,73.66 r0 bottom
R171 "1.0k Ohms" R_0402 118.626,70.485 r0 bottom
R172 "1.0k Ohms" R_0402 118.626,67.945 r0 bottom
R173 "R_0402_100K" R_0402 118.626,65.405 r0 bottom
R174 "R_0402_100K" R_0402 108.72,64.77 r0 top
R175 "R_0402_10.0K" R_0402 187.46,89.535 r180 top
R176 "R_0402_10.0K" R_0402 43.045,23.495 r0 top
R177 "R_0402_33" R_0402 94.75,29.736 r180 top
R178 "R_0402_33" R_0402 94.75,31.115 r180 top
R179 "R_0402_33" R_0402 94.369,27.94 r180 top
R180 "R_0402_10.0K" R_0402 75.4,112.165 r0 bottom
R181 "R_0402_10.0K" R_0402 30.988,7.747 r0 top
R182 "R_0402_100K" R_0402 30.988,5.207 r180 top
R183 "R_0402_100K" R_0402 24.638,6.342 r270 top
R184 "110K" R_0402 30.988,6.477 r0 top
R185 "R_0402_10.0K" R_0402 225.12,44.919 r90 top
R186 "R_0402_9.53K" R_0402 224.62,50.419 r90 bottom
R187 "R_0402_118K" R_0402 227.12,49.419 r180 bottom
R188 "R_0402_22.0K" R_0402 227.12,48.419 r0 bottom
R189 "R_0402_10.0K" R_0402 227.12,38.419 r180 bottom
R190 "R_0402_6.49k" R_0402 224.62,36.919 r90 bottom
R191 "R_0402_69.8K" R_0402 227.12,37.419 r180 bottom
R192 "R_0402_22.0K" R_0402 225.62,36.919 r270 bottom
R193 "R_0402_10.0K" R_0402 219.62,39.969 r180 top
R194 "R_0402_10.2k" R_0402 213.62,38.419 r90 bottom
R195 "R_0402_36.0K" R_0402 215.62,41.669 r0 bottom
R196 "R_0402_22.0K" R_0402 215.62,40.669 r180 bottom
R197 "R_0402_10.0K" R_0402 218.07,44.419 r90 top
R198 "R_0402_10.2k" R_0402 218.12,48.169 r0 bottom
R199 "R_0402_47.0K" R_0402 215.62,47.419 r270 bottom
R200 "R_0402_22.0K" R_0402 216.62,47.419 r90 bottom
R201 "R_0402_10.0K" R_0402 221.62,38.919 r180 top
R202 "R_0402_442k" R_0402 220.62,50.419 r90 bottom
R203 "R_0402_10.0K" R_0402 219.12,44.419 r90 top
R204 "R_0402_10.0K" R_0402 219.62,50.419 r270 bottom
R205 "R_0402_10.2k" R_0402 65.15,111.76 r0 bottom
R206 "R_0402_732" R_0402 66.15,110.34 r0 bottom
R207 "R_0402_7.87K" R_0402 64.4,113.53 r90 bottom
R208 "2.2k Ohms" R_0402 97.79,55.38 r90 top
R209 "2.2k Ohms" R_0402 97.79,52.84 r90 top
R210 "2.2k Ohms" R_0402 85.59,47.625 r180 top
R211 "2.2k Ohms" R_0402 83.955,38.735 r0 top
R212 "R_0402_10.0K" R_0402 11.631,66.04 r0 top
R213 "R_0402_10.0K" R_0402 11.631,64.77 r0 top
R214 "R_0402_10.0K" R_0402 14.671,65.27 r90 top
R215 "2.2k Ohms" R_0402 57.92,30.48 r0 top
R216 "2.2k Ohms" R_0402 60.19,30.48 r180 top
R217 "R_0402_10.0K" R_0402 76.401,22.225 r180 top
R218 "R_0402_10.0K" R_0402 76.401,23.368 r0 top
R219 "2.2k Ohms" R_0402 8.755,41.91 r180 top
R220 "2.2k Ohms" R_0402 6.485,43.815 r0 top
R221 "R_0402_10.0K" R_0402 144.1,24.45 r90 top
R222 "R_0402_10.0K" R_0402 142.6,24.45 r90 top
R223 "R_0402_2.2K" R_0402 107.315,17.915 r90 top
R224 "R_0402_49.9" R_0402 113.53,18.415 r180 top
R225 "1.5k Ohms" R_0402 108.585,17.915 r270 top
R226 "R_0402_49.9" R_0402 113.53,17.145 r0 top
R227 "R_0402_10.0K" R_0402 69.207,34.798 r0 bottom
R228 "R_0402_10.0K" R_0402 69.207,31.242 r0 bottom
R229 "R_0402_10.0K" R_0402 76.049,34.163 r0 bottom
R230 "R_0402_10.0K" R_0402 76.049,30.607 r0 bottom
R231 "R_0402_10.0K" R_0402 82.161,33.528 r0 bottom
R232 "R_0402_10.0K" R_0402 82.161,29.972 r0 bottom
R233 "R_0402_10.0K" R_0402 88.892,33.49 r0 bottom
R234 "R_0402_10.0K" R_0402 88.892,29.934 r0 bottom
R235 "R_0402_10.0K" R_0402 91.448,28.956 r0 top
R236 "R_0402_10.0K" R_0402 91.448,24.13 r0 top
R237 "R_0402_10.0K" R_0402 69.207,34.798 r180 top
R238 "R_0402_10.0K" R_0402 69.207,31.242 r180 top
R239 "R_0402_10.0K" R_0402 76.049,34.163 r180 top
R240 "R_0402_10.0K" R_0402 76.049,30.607 r180 top
R241 "R_0402_10.0K" R_0402 82.161,33.528 r180 top
R242 "R_0402_10.0K" R_0402 82.161,29.972 r180 top
R243 "R_0402_10.0K" R_0402 88.892,33.49 r180 top
R244 "R_0402_10.0K" R_0402 88.892,29.934 r180 top
R245 "R_0402_10.0K" R_0402 91.448,27.686 r180 top
R246 "R_0402_10.0K" R_0402 91.448,22.86 r180 top
S1 "S_TACTILE_1571563_2_BUTTON" TACTILE_1571563_2 27,100 r0 top locked
S2 "S_TACTILE_1571563_2_BUTTON" TACTILE_1571563_2 212,100 r0 top locked
S3 "S_TACTILE_ RA_TL3330AF130QG_BUTTON" TL3330AF130QG 1.905,95.25 r270 top
S4 "S_TACTILE_ RA_TL3330AF130QG_BUTTON" TL3330AF130QG 237.236,95.25 r90 top
S5 "S_TACTILE_1571563_2_BUTTON" TACTILE_1571563_2 222,80 r0 top locked
S6 "S_TACTILE_1571563_2_BUTTON" TACTILE_1571563_2 212,70 r0 top locked
S7 "S_TACTILE_1571563_2_BUTTON" TACTILE_1571563_2 232,70 r0 top locked
S8 "S_JOYSTICK_ANALOG_XY" JOYSTICK_ANALOG_MINITHM 12.065,74.93 r0 top locked
S9 "S_TACTILE_1571563_2_BUTTON" TACTILE_1571563_2 222,60 r0 top locked
S10 "Micro Slide Switch" PCM_SMD_SWITCH 2.413,126.975 r270 top
S11 "S_TACTILE_1571563_2_BUTTON" TACTILE_1571563_2 16.51,12.7 r0 top
T1 "TEST_POINT_SMALL" TestPointSmall 227.62,35.919 r180 bottom
T2 "TEST_POINT_SMALL" TestPointSmall 224.155,64.77 r0 top
U1 "U_BQ40Z60RHBR" RHB0032E 155.521,73.679 r180 bottom locked
U2 "U_HD3SS460RHRR" RHR0028A 118.237,27.051 r90 top
U3 "U_W25Q80DVSNIG" "SOIC-8 - TI" 144.78,6.8 r270 top
U4 "PartNumber" RWE0056B 131.85,22.85 r90 top
U5 "U_TAS5760LDCAR" DCA48_6P4X3P6 175.133,42.545 r270 top
U6 "USB_TVS" TVS_DIODE_USB3.0-10 118.491,15.875 r270 bottom
U7 "USB_TVS" TVS_DIODE_USB3.0-10 118.491,15.875 r90 top
U8 "U_TPD8S300RUK" RUK0020B 133.985,13.335 r90 top
U9 "U_TI-TUSB2036-LQFP_VF-32" VF32_L 24.257,28.575 r90 top
U10 "USB OVP/UVP" SOT95P280X90-5N 13.335,99.695 r90 top
U11 "USB TVS" SC70-LT6_N 26.289,108.585 r180 top
U12 "USB OVP/UVP" SOT95P280X90-5N 179.11,133.35 r0 top
U13 "USB TVS" SC70-LT6_N 233.045,123.19 r180 top
U14 "U_OSC_24MHZ_SMD_1.8V" OSC_KC5032A 37.465,23.495 r0 top
U15 "U_USB3315C" QFN50P400X400X100_HS-25N 43.18,15.875 r0 top
U16 "U_TI-ADS1015_1115-10" TI-DGS10_L 16.63,88.4 r0 top
U17 "U_TPS65105PWPR" PWP0024B_L 95.56,75.255 r90 top
U18 "U_LM3410XMFE" MF05A_N 137.485,51.455 r0 top
U19 "SI5351A-B-GT" SI5351 97.282,27.686 r90 top
U20 "U_FPF2700MPX" SON65P300X80_HS-9N 27.373,5.293 r180 top
U21 "U_TPS65400RGZR" RGZ0048B 222.12,43.919 r180 bottom
U22 "U_TPS54332DDAR" DDA0008H 69.85,113.665 r180 bottom
Y1 "6.00MHz Crystal" HC49 10.795,29.159 r270 top
Y2 "XRCGB27M000F2P00R0" XTAL_2.0X1.6MM 98.298,21.082 r315 top